# KiCad board vault35-katana plate.kicad_pcb
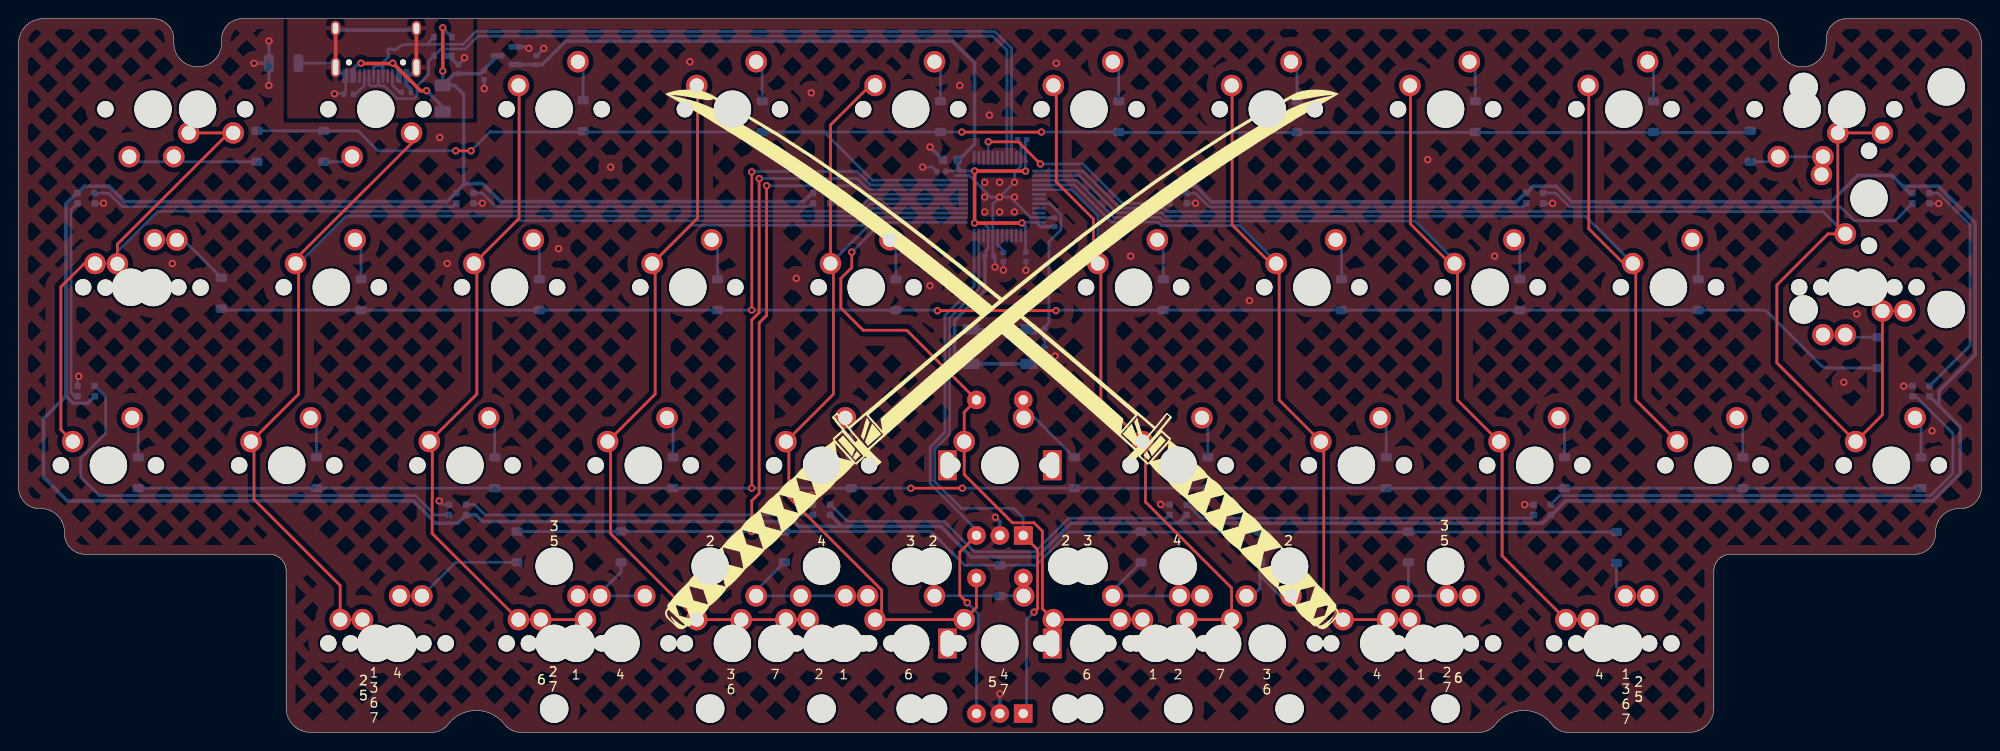
[diagram p0: board, top side]
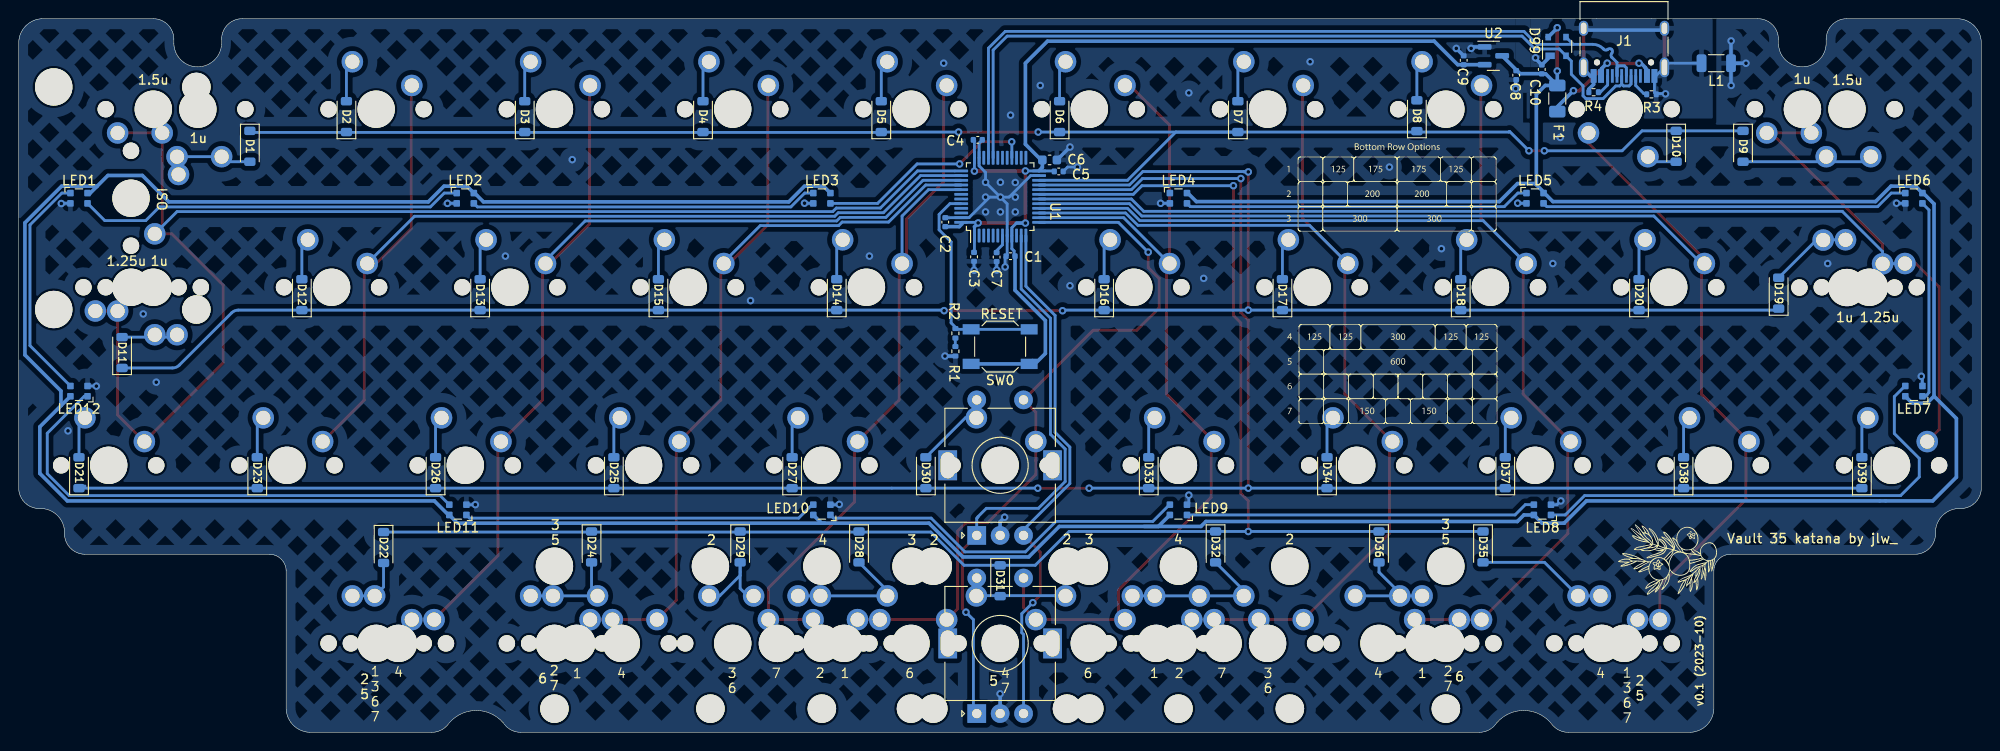
[diagram p1: board, bottom side, seen from below]

Outline 209.7 x 76.35 mm; copper layers: Top, Bottom. Coordinates in mm from the lower left corner of the outline.
Outline path: 0,73.75 0,26.14 0,26.03 0.01,25.92 0.03,25.81 0.04,25.7 0.07,25.59 0.1,25.49 0.13,25.38 0.17,25.28 0.22,25.19 0.27,25.09 0.32,25 0.38,24.91 0.44,24.82 0.5,24.74 0.57,24.66 0.64,24.59 0.72,24.51 0.8,24.44 0.88,24.38 0.97,24.32 1.06,24.26 1.15,24.21 1.25,24.16 1.34,24.11 1.44,24.07 1.55,24.04 1.65,24.01 1.76,23.99 1.86,23.97 1.98,23.95 2.09,23.94 2.2,23.94 2.34,23.94 2.47,23.94 2.59,23.93 2.72,23.91 2.84,23.89 2.96,23.86 3.08,23.83 3.2,23.79 3.32,23.75 3.43,23.7 3.54,23.64 3.65,23.58 3.76,23.51 3.86,23.44 3.96,23.36 4.05,23.28 4.14,23.19 4.23,23.1 4.31,23.01 4.39,22.91 4.46,22.81 4.53,22.7 4.59,22.59 4.65,22.48 4.7,22.37 4.74,22.25 4.78,22.13 4.81,22.01 4.84,21.89 4.86,21.77 4.88,21.64 4.89,21.52 4.89,21.39 4.89,21.25 4.89,21.14 4.9,21.03 4.92,20.91 4.94,20.81 4.96,20.7 4.99,20.6 5.02,20.49 5.06,20.39 5.11,20.3 5.16,20.2 5.21,20.11 5.27,20.02 5.33,19.93 5.39,19.85 5.46,19.77 5.54,19.69 5.61,19.62 5.69,19.55 5.77,19.49 5.86,19.43 5.95,19.37 6.04,19.32 6.14,19.27 6.23,19.22 6.33,19.18 6.44,19.15 6.54,19.12 6.65,19.09 6.76,19.08 6.87,19.06 6.98,19.05 7.09,19.05 26.77,19.05 26.86,19.05 26.95,19.04 27.04,19.03 27.13,19.02 27.21,19 27.3,18.97 27.38,18.94 27.46,18.91 27.54,18.88 27.62,18.84 27.7,18.79 27.77,18.75 27.85,18.7 27.92,18.64 27.98,18.58 28.05,18.52 28.11,18.46 28.17,18.39 28.22,18.32 28.27,18.25 28.32,18.17 28.36,18.1 28.4,18.02 28.44,17.94 28.47,17.86 28.5,17.77 28.52,17.69 28.54,17.6 28.56,17.52 28.57,17.43 28.57,17.34 28.58,17.25 28.58,2.6 28.58,2.47 28.59,2.34 28.6,2.22 28.63,2.09 28.65,1.97 28.69,1.84 28.73,1.72 28.77,1.61 28.82,1.49 28.88,1.38 28.94,1.27 29.01,1.16 29.09,1.05 29.16,0.95 29.25,0.85 29.34,0.76 29.43,0.67 29.53,0.59 29.63,0.51 29.73,0.44 29.84,0.37 29.95,0.31 30.06,0.25 30.18,0.2 30.3,0.15 30.42,0.11 30.54,0.08 30.67,0.05 30.79,0.03 30.92,0.01 31.05,0 31.18,0 44.14,0 44.27,0 44.39,0.01 44.52,0.03 44.64,0.06 44.76,0.09 44.88,0.13 45,0.17 45.11,0.23 45.22,0.28 45.33,0.35 45.43,0.42 45.53,0.49 45.63,0.58 45.72,0.66 45.8,0.76 46.02,1.03 46.17,1.19 46.33,1.34 46.49,1.48 46.66,1.61 46.84,1.73 47.02,1.84 47.21,1.94 47.41,2.03 47.61,2.11 47.82,2.18 48.02,2.23 48.24,2.28 48.45,2.31 48.67,2.33 48.89,2.33 49.11,2.33 49.33,2.31 49.54,2.28 49.76,2.23 49.97,2.18 50.17,2.11 50.37,2.03 50.57,1.94 50.76,1.84 50.94,1.73 51.12,1.61 51.29,1.48 51.46,1.34 51.61,1.19 51.76,1.03 51.98,0.76 52.07,0.66 52.16,0.58 52.25,0.49 52.35,0.42 52.45,0.35 52.56,0.28 52.67,0.23 52.78,0.17 52.9,0.13 53.02,0.09 53.14,0.06 53.26,0.03 53.39,0.01 53.51,0 53.64,0 156.06,0 156.19,0 156.31,0.01 156.44,0.03 156.56,0.06 156.68,0.09 156.8,0.13 156.92,0.17 157.03,0.23 157.14,0.28 157.25,0.35 157.35,0.42 157.45,0.49 157.54,0.58 157.63,0.66 157.72,0.76 157.94,1.03 158.09,1.19 158.24,1.34 158.41,1.48 158.58,1.61 158.76,1.73 158.94,1.84 159.13,1.94 159.33,2.03 159.53,2.11 159.73,2.18 159.94,2.23 160.16,2.28 160.37,2.31 160.59,2.33 160.81,2.33 161.03,2.33 161.25,2.31 161.46,2.28 161.68,2.23 161.88,2.18 162.09,2.11 162.29,2.03 162.49,1.94 162.68,1.84 162.86,1.73 163.04,1.61 163.21,1.48 163.37,1.34 163.53,1.19 163.68,1.03 163.9,0.76 163.98,0.66 164.07,0.58 164.17,0.49 164.27,0.42 164.37,0.35 164.48,0.28 164.59,0.23 164.7,0.17 164.82,0.13 164.94,0.09 165.06,0.06 165.18,0.03 165.31,0.01 165.43,0 165.56,0 178.52,0 178.65,0 178.78,0.01 178.91,0.03 179.03,0.05 179.16,0.08 179.28,0.11 179.4,0.15 179.52,0.2 179.64,0.25 179.75,0.31 179.86,0.37 179.97,0.44 180.07,0.51 180.17,0.59 180.27,0.67 180.36,0.76 180.45,0.85 180.54,0.95 180.61,1.05 180.69,1.16 180.76,1.27 180.82,1.38 180.88,1.49 180.93,1.61 180.97,1.72 181.01,1.84 181.05,1.97 181.07,2.09 181.1,2.22 181.11,2.34 181.12,2.47 181.12,2.6 181.12,17.25 181.13,17.34 181.13,17.43 181.15,17.52 181.16,17.61 181.18,17.7 181.21,17.79 181.23,17.87 181.27,17.95 181.3,18.03 181.34,18.11 181.39,18.18 181.43,18.26 181.48,18.33 181.54,18.39 181.59,18.46 181.65,18.52 181.71,18.58 181.78,18.64 181.85,18.69 181.92,18.74 181.99,18.79 182.07,18.83 182.14,18.87 182.22,18.91 182.31,18.94 182.39,18.97 182.48,18.99 182.56,19.01 182.65,19.03 182.74,19.04 182.83,19.05 182.92,19.05 202.61,19.05 202.72,19.05 202.83,19.06 202.93,19.07 203.04,19.09 203.15,19.12 203.25,19.15 203.35,19.18 203.45,19.22 203.55,19.26 203.65,19.31 203.74,19.36 203.83,19.42 203.92,19.48 204,19.55 204.09,19.62 204.16,19.69 204.24,19.77 204.31,19.86 204.38,19.94 204.44,20.03 204.5,20.12 204.55,20.21 204.6,20.31 204.64,20.41 204.68,20.51 204.71,20.61 204.74,20.71 204.77,20.82 204.79,20.93 204.8,21.03 204.81,21.14 204.81,21.25 204.81,21.39 204.81,21.52 204.82,21.65 204.84,21.78 204.86,21.9 204.89,22.03 204.92,22.15 204.96,22.27 205.01,22.38 205.06,22.5 205.12,22.61 205.18,22.71 205.24,22.82 205.32,22.92 205.39,23.01 205.47,23.11 205.56,23.19 205.64,23.28 205.74,23.36 205.83,23.43 205.93,23.51 206.04,23.57 206.14,23.63 206.25,23.69 206.37,23.74 206.48,23.79 206.6,23.83 206.72,23.86 206.85,23.89 206.97,23.91 207.1,23.93 207.23,23.94 207.36,23.94 207.5,23.94 207.61,23.94 207.72,23.95 207.84,23.97 207.94,23.99 208.05,24.01 208.15,24.04 208.26,24.07 208.36,24.11 208.45,24.16 208.55,24.21 208.64,24.26 208.73,24.32 208.82,24.38 208.9,24.44 208.98,24.51 209.06,24.59 209.13,24.66 209.2,24.74 209.26,24.82 209.32,24.91 209.38,25 209.43,25.09 209.48,25.19 209.53,25.28 209.57,25.38 209.6,25.49 209.63,25.59 209.66,25.7 209.67,25.81 209.69,25.92 209.7,26.03 209.7,26.14 209.7,73.75 209.7,73.88 209.69,74.02 209.67,74.15 209.65,74.27 209.62,74.4 209.58,74.52 209.54,74.64 209.5,74.76 209.44,74.88 209.39,74.99 209.32,75.1 209.26,75.2 209.18,75.31 209.11,75.4 209.02,75.5 208.94,75.59 208.85,75.67 208.75,75.76 208.66,75.83 208.55,75.91 208.45,75.97 208.34,76.04 208.23,76.09 208.11,76.15 207.99,76.19 207.87,76.23 207.75,76.27 207.62,76.3 207.5,76.32 207.37,76.34 207.23,76.35 207.1,76.35 195.32,76.35 195.21,76.35 195.1,76.34 194.99,76.32 194.88,76.31 194.78,76.28 194.67,76.25 194.57,76.22 194.47,76.18 194.37,76.13 194.28,76.08 194.18,76.03 194.09,75.97 194.01,75.91 193.93,75.85 193.85,75.78 193.77,75.71 193.7,75.63 193.63,75.55 193.56,75.47 193.5,75.38 193.44,75.29 193.39,75.2 193.34,75.1 193.3,75.01 193.26,74.91 193.22,74.8 193.19,74.7 193.17,74.59 193.15,74.49 193.14,74.37 193.13,74.26 193.13,74.15 193.12,73.75 193.12,73.66 193.12,73.58 193.11,73.5 193.1,73.41 193.09,73.33 193.07,73.25 193.06,73.17 193.04,73.08 193.01,73 192.99,72.93 192.96,72.85 192.93,72.77 192.9,72.7 192.86,72.62 192.82,72.55 192.78,72.47 192.74,72.4 192.7,72.33 192.65,72.27 192.6,72.2 192.55,72.14 192.5,72.07 192.44,72.01 192.38,71.95 192.32,71.89 192.26,71.84 192.2,71.78 192.13,71.73 192.06,71.68 191.99,71.63 191.92,71.59 191.85,71.54 191.7,71.46 191.55,71.39 191.39,71.33 191.23,71.29 191.07,71.25 190.9,71.22 190.74,71.21 190.57,71.2 190.41,71.21 190.25,71.22 190.08,71.25 189.92,71.29 189.76,71.33 189.6,71.39 189.45,71.46 189.3,71.54 189.16,71.63 189.02,71.73 188.89,71.84 188.77,71.95 188.65,72.07 188.55,72.2 188.45,72.33 188.37,72.47 188.29,72.62 188.22,72.77 188.16,72.93 188.11,73.08 188.08,73.25 188.05,73.41 188.03,73.58 188.02,73.75 188.02,74.15 188.02,74.26 188.01,74.37 188,74.49 187.98,74.59 187.96,74.7 187.93,74.8 187.89,74.91 187.85,75.01 187.81,75.1 187.76,75.2 187.71,75.29 187.65,75.38 187.59,75.47 187.52,75.55 187.45,75.63 187.38,75.71 187.3,75.78 187.22,75.85 187.14,75.91 187.06,75.97 186.97,76.03 186.87,76.08 186.78,76.13 186.68,76.18 186.58,76.22 186.48,76.25 186.37,76.28 186.27,76.31 186.16,76.32 186.05,76.34 185.94,76.35 185.82,76.35 23.87,76.35 23.76,76.35 23.65,76.34 23.54,76.32 23.43,76.31 23.33,76.28 23.22,76.25 23.12,76.22 23.02,76.18 22.92,76.13 22.83,76.08 22.73,76.03 22.64,75.97 22.56,75.91 22.48,75.85 22.4,75.78 22.32,75.71 22.25,75.63 22.18,75.55 22.11,75.47 22.05,75.38 21.99,75.29 21.94,75.2 21.89,75.1 21.85,75.01 21.81,74.91 21.77,74.8 21.74,74.7 21.72,74.59 21.7,74.49 21.69,74.37 21.68,74.26 21.67,74.15 21.67,73.75 21.67,73.62 21.66,73.49 21.65,73.36 21.62,73.24 21.59,73.11 21.56,72.99 21.52,72.87 21.47,72.76 21.42,72.65 21.37,72.54 21.31,72.43 21.24,72.33 21.17,72.23 21.09,72.13 21.01,72.04 20.93,71.95 20.84,71.86 20.75,71.78 20.65,71.71 20.55,71.64 20.45,71.57 20.34,71.51 20.23,71.45 20.12,71.4 20,71.36 19.88,71.32 19.76,71.28 19.64,71.25 19.51,71.23 19.39,71.22 19.26,71.21 19.12,71.2 18.99,71.21 18.86,71.22 18.74,71.23 18.61,71.25 18.49,71.28 18.37,71.32 18.25,71.36 18.13,71.4 18.02,71.45 17.91,71.51 17.8,71.57 17.7,71.64 17.6,71.71 17.5,71.78 17.41,71.86 17.32,71.95 17.24,72.04 17.16,72.13 17.08,72.23 17.01,72.33 16.94,72.43 16.88,72.54 16.83,72.65 16.78,72.76 16.73,72.87 16.69,72.99 16.66,73.11 16.63,73.24 16.6,73.36 16.59,73.49 16.58,73.62 16.58,73.75 16.58,74.15 16.57,74.26 16.56,74.37 16.55,74.47 16.53,74.58 16.51,74.69 16.48,74.79 16.45,74.89 16.41,74.99 16.36,75.09 16.32,75.19 16.26,75.28 16.21,75.37 16.14,75.46 16.08,75.54 16.01,75.63 15.93,75.71 15.85,75.78 15.77,75.85 15.68,75.92 15.6,75.98 15.5,76.04 15.41,76.09 15.32,76.14 15.22,76.18 15.12,76.22 15.01,76.25 14.91,76.28 14.81,76.31 14.7,76.33 14.59,76.34 14.48,76.35 14.37,76.35 2.6,76.35 2.47,76.35 2.34,76.34 2.22,76.32 2.09,76.3 1.97,76.27 1.84,76.24 1.72,76.2 1.61,76.15 1.49,76.1 1.38,76.04 1.27,75.98 1.16,75.91 1.05,75.84 0.95,75.76 0.85,75.68 0.76,75.59 0.67,75.5 0.59,75.4 0.51,75.3 0.44,75.19 0.37,75.08 0.31,74.97 0.25,74.86 0.2,74.74 0.15,74.63 0.11,74.51 0.08,74.38 0.05,74.26 0.03,74.13 0.01,74.01 0,73.88 0,73.75

## Placement (name value [footprint] x y rotation side)
C1  100nF  [C_0402_1005Metric]  103.72 50.94 0 bottom
C2  100nF  [C_0402_1005Metric]  110.7 54.58 90 bottom
C3  100nF  [C_0402_1005Metric]  107.62 50.87 270 bottom
C4  100nF  [C_0402_1005Metric]  107.22 63.39 180 bottom
C5  100nF  [C_0402_1005Metric]  98.57 60.01 180 bottom
C6  10uF  [C_0603_1608Metric]  99.55 61.24 180 bottom
C7  100nF  [C_0402_1005Metric]  105.21 50.85 270 bottom
C8  1uF  [C_0402_1005Metric]  49.69 70.31 90 bottom
C9  1uF  [C_0402_1005Metric]  55.31 71.9 270 bottom
C10  100nF  [C_0402_1005Metric]  46.96 70.93 90 bottom
D1  D_Small  [D_SOD-123-hidden-ref]  185 62.7 270 bottom
D2  D_Small  [D_SOD-123-hidden-ref]  174.68 65.87 90 bottom
D3  D_Small  [D_SOD-123-hidden-ref]  155.63 65.87 90 bottom
D4  D_Small  [D_SOD-123-hidden-ref]  136.58 65.87 90 bottom
D5  D_Small  [D_SOD-123-hidden-ref]  117.53 65.87 90 bottom
D6  D_Small  [D_SOD-123-hidden-ref]  98.48 65.87 90 bottom
D7  D_Small  [D_SOD-123-hidden-ref]  79.43 65.87 90 bottom
D8  D_Small  [D_SOD-123-hidden-ref]  60.31 65.97 90 bottom
D9  D_Small  [D_SOD-123-hidden-ref]  25.46 62.7 270 bottom
D10  D_Small  [D_SOD-123-hidden-ref]  32.6 62.7 270 bottom
D11  D_Small  [D_SOD-123-hidden-ref]  198.66 40.63 90 bottom
D12  D_Small  [D_SOD-123-hidden-ref]  179.45 46.82 90 bottom
D13  D_Small  [D_SOD-123-hidden-ref]  160.4 46.82 90 bottom
D14  D_Small  [D_SOD-123-hidden-ref]  122.3 46.82 90 bottom
D15  D_Small  [D_SOD-123-hidden-ref]  141.35 46.82 90 bottom
D16  D_Small  [D_SOD-123-hidden-ref]  93.72 46.82 90 bottom
D17  D_Small  [D_SOD-123-hidden-ref]  74.67 46.82 90 bottom
D18  D_Small  [D_SOD-123-hidden-ref]  55.62 46.82 90 bottom
D19  D_Small  [D_SOD-123-hidden-ref]  21.65 46.98 90 bottom
D20  D_Small  [D_SOD-123-hidden-ref]  36.57 46.82 90 bottom
D21  D_Small  [D_SOD-123-hidden-ref]  203.26 27.77 90 bottom
D22  D_Small  [D_SOD-123-hidden-ref]  170.72 19.77 270 bottom
D23  D_Small  [D_SOD-123-hidden-ref]  184.21 27.77 90 bottom
D24  D_Small  [D_SOD-123-hidden-ref]  148.49 19.83 270 bottom
D25  D_Small  [D_SOD-123-hidden-ref]  146.11 27.77 90 bottom
D26  D_Small  [D_SOD-123-hidden-ref]  165.16 27.77 90 bottom
D27  D_Small  [D_SOD-123-hidden-ref]  127.06 27.77 90 bottom
D28  D_Small  [D_SOD-123-hidden-ref]  119.92 19.83 270 bottom
D29  D_Small  [D_SOD-123-hidden-ref]  132.62 19.83 270 bottom
D30  D_Small  [D_SOD-123-hidden-ref]  112.77 27.77 90 bottom
D31  D_Small  [D_SOD-123-hidden-ref]  104.83 16.22 270 bottom
D32  D_Small  [D_SOD-123-hidden-ref]  81.82 19.83 270 bottom
D33  D_Small  [D_SOD-123-hidden-ref]  88.96 27.77 90 bottom
D34  D_Small  [D_SOD-123-hidden-ref]  69.91 27.77 90 bottom
D35  D_Small  [D_SOD-123-hidden-ref]  53.24 19.83 270 bottom
D36  D_Small  [D_SOD-123-hidden-ref]  64.35 19.83 270 bottom
D37  D_Small  [D_SOD-123-hidden-ref]  50.86 27.77 90 bottom
D38  D_Small  [D_SOD-123-hidden-ref]  31.81 27.77 90 bottom
D39  D_Small  [D_SOD-123-hidden-ref]  12.76 27.77 90 bottom
D99  PRTR5V0U2X  [SOT-143]  45.32 73.38 90 bottom
F1  ASMD1206-150  [Fuse_1206_3216Metric]  45.3 67.81 90 bottom
J1  USB_C_Receptacle_USB2.0  [USB_C_Receptacle_HRO_TYPE-C-31-M-12]  38.17 74.27 0 bottom
L1  60R@100MHz  [L_1206_3216Metric]  28.32 71.59 0 bottom
LED1  WS2812-2020  [LED_WS2812_2020]  203.26 57.14 180 bottom
LED2  WS2812-2020  [LED_WS2812_2020]  161.99 57.14 180 bottom
LED3  WS2812-2020  [LED_WS2812_2020]  123.89 57.14 180 bottom
LED4  WS2812-2020  [LED_WS2812_2020]  85.79 57.14 180 bottom
LED5  WS2812-2020  [LED_WS2812_2020]  47.69 57.14 180 bottom
LED6  WS2812-2020  [LED_WS2812_2020]  7.2 57.14 180 bottom
LED7  WS2812-2020  [LED_WS2812_2020]  7.2 36.5 0 bottom
LED8  WS2812-2020  [LED_WS2812_2020]  46.89 23.8 0 bottom
LED9  WS2812-2020  [LED_WS2812_2020]  85.79 23.8 0 bottom
LED10  WS2812-2020  [LED_WS2812_2020]  123.89 23.8 0 bottom
LED11  WS2812-2020  [LED_WS2812_2020]  162.78 23.8 0 bottom
LED12  WS2812-2020  [LED_WS2812_2020]  203.26 36.5 0 bottom
MX1  MX_SW_solder  [SW_MX_1u]  19.11 66.67 180 top
MX2  MX_SW_solder  [SW_MX_1.5u]  14.35 66.67 180 top
MX3  MX_SW_solder  [SW_MX_1u]  38.16 66.67 180 top
MX4  MX_SW_solder  [SW_MX_1u]  57.21 66.67 0 top
MX5  MX_SW_solder  [SW_MX_1u]  76.26 66.67 0 top
MX6  MX_SW_solder  [SW_MX_1u]  95.31 66.67 0 top
MX7  MX_SW_solder  [SW_MX_1u]  114.36 66.67 0 top
MX8  MX_SW_solder  [SW_MX_1u]  133.41 66.67 0 top
MX9  MX_SW_solder  [SW_MX_1u]  152.46 66.67 0 top
MX10  MX_SW_solder  [SW_MX_1u]  171.51 66.67 0 top
MX11  MX_SW_solder  [SW_MX_1.5u]  195.32 66.67 180 top
MX12  MX_SW_solder  [SW_MX_1u]  190.56 66.67 180 top
MX13  MX_SW_solder  [SW_MX_1u]  14.35 47.59 0 top
MX14  MX_SW_solder  [SW_MX_1.25u]  11.97 47.62 0 top
MX15  MX_SW_solder  [SW_MX_1u]  33.4 47.62 0 top
MX16  MX_SW_solder  [SW_MX_1u]  52.45 47.62 0 top
MX17  MX_SW_solder  [SW_MX_1u]  71.5 47.62 0 top
MX18  MX_SW_solder  [SW_MX_1u]  90.55 47.62 0 top
MX19  MX_SW_solder  [SW_MX_1u]  119.12 47.62 0 top
MX20  MX_SW_solder  [SW_MX_1u]  138.17 47.62 0 top
MX21  MX_SW_solder  [SW_MX_1u]  157.22 47.62 0 top
MX22  MX_SW_solder  [SW_MX_1u]  176.27 47.62 0 top
MX23  MX_SW_solder  [SW_MX_1.25u]  197.7 47.62 180 top
MX24  MX_SW_solder  [SW_MX_1u]  195.32 47.62 180 top
MX25  MX_SW_solder  [SW_MX_1u]  9.59 28.57 0 top
MX26  MX_SW_solder  [SW_MX_1u]  28.64 28.57 0 top
MX27  MX_SW_solder  [SW_MX_1u]  47.69 28.57 0 top
MX28  MX_SW_solder  [SW_MX_1u]  66.74 28.57 0 top
MX29  MX_SW_solder  [SW_MX_1u]  85.79 28.57 0 top
MX30  MX_SW_solder  [SW_MX_1u]  104.84 28.57 0 top
MX31  MX_SW_solder  [SW_MX_1u]  123.89 28.57 0 top
MX32  MX_SW_solder  [SW_MX_1u]  142.94 28.57 0 top
MX33  MX_SW_solder  [SW_MX_1u]  161.99 28.57 0 top
MX34  MX_SW_solder  [SW_MX_1u]  181.04 28.57 0 top
MX35  MX_SW_solder  [SW_MX_1u]  200.09 28.57 0 top
MX36  MX_SW_solder  [SW_MX_1u]  197.7 57.14 90 top
MX37  MX_SW_solder  [SW_MX_1.25u]  40.54 9.52 0 top
MX38  MX_SW_solder  [SW_MX_1.25u]  64.35 9.52 0 top
MX39  MX_SW_solder  [SW_MX_1u]  104.84 9.52 0 top
MX40  MX_SW_solder  [SW_MX_1.25u]  145.32 9.52 0 top
MX41  MX_SW_solder  [SW_MX_1.25u]  169.13 9.52 0 top
MX42  MX_SW_solder  [SW_MX_1.5u]  81.01 9.51 0 top
MX43  MX_SW_solder  [SW_MX_1.25u]  59.59 9.52 0 top
MX44  MX_SW_solder  [SW_MX_1.75u]  88.17 9.52 0 top
MX45  MX_SW_solder  [SW_MX_1.75u]  121.5 9.52 0 top
MX46  MX_SW_solder  [SW_MX_1.25u]  150.08 9.52 0 top
MX47  MX_SW_solder  [SW_MX_1.5u]  128.63 9.51 0 top
MX50  MX_SW_solder  [SW_MX_1u]  85.79 9.52 0 top
MX51  MX_SW_solder  [SW_MX_1u]  123.89 9.52 0 top
MX61  MX_SW_solder  [SW_MX_1u]  38.16 9.52 0 top
MX62  MX_SW_solder  [SW_MX_1u]  57.21 9.52 0 top
MX63  MX_SW_solder  [SW_MX_1u]  76.26 9.52 0 top
MX64  MX_SW_solder  [SW_MX_1u]  95.31 9.52 0 top
MX65  MX_SW_solder  [SW_MX_1u]  114.36 9.52 0 top
MX66  MX_SW_solder  [SW_MX_1u]  133.41 9.52 0 top
MX67  MX_SW_solder  [SW_MX_1u]  152.46 9.52 0 top
MX68  MX_SW_solder  [SW_MX_1u]  171.51 9.52 0 top
R1  5.1k  [R_0402_1005Metric]  109.62 40.76 270 bottom
R2  5.1k  [R_0402_1005Metric]  109.62 42.69 270 bottom
R3  5.1k  [R_0402_1005Metric]  35.24 68.26 0 bottom
R4  5.1k  [R_0402_1005Metric]  41.42 68.48 180 bottom
S1  MX_stab  [STAB_MX_ISO]  197.7 57.14 0 top
S2  MX_stab  [STAB_MX_3u]  104.84 9.52 180 top
S3  MX_stab  [STAB_MX_2u]  123.89 9.52 180 top
S4  MX_stab  [STAB_MX_2u]  85.79 9.52 180 top
S5  MX_stab  [STAB_MX_3u]  133.41 9.52 180 top
S6  MX_stab  [STAB_MX_3u]  76.26 9.52 180 top
SW0  SKQGABE010  [SW_SPST_SKQG_WithoutStem]  104.84 41.27 0 bottom
SW1  Rotary_Encoder_Switch  [RotaryEncoder_Alps_EC11E-Switch_Vertical_H20mm]  107.34 2.01 90 bottom
SW52  Rotary_Encoder_Switch  [RotaryEncoder_Alps_EC11E-Switch_Vertical_H20mm]  107.34 21.07 90 bottom
U1  STM32F072CBT6  [LQFP-48_7x7mm_P0.5mm]  104.83 57.31 90 bottom
U2  XC6206P332MR-Regulator_Linear  [SOT-23]  52.13 72.38 180 bottom

## Library data of the parts
C1-C5 C10 = -: Description: Unpolarized capacitor; LCSC: C307331
C6 = -: Description: Unpolarized capacitor; LCSC: C96446
C7 = -: Description: Unpolarized capacitor, small symbol; LCSC: C307331
C8 C9 = -: Description: Unpolarized capacitor, small symbol; LCSC: C52923
D1-D39 = -: Description: Diode, small symbol; LCSC: C81598; Sim.Device: D; Sim.Pins: 1=K 2=A
D99 = -: Description: Ultra low capacitance double rail-to-rail ESD protection diode, SOT-143; JlcRotOffset: 90; LCSC: C2827688
F1 = -: Description: Resettable fuse, polymeric positive temperature coefficient; LCSC: C135341
J1 = -: Description: USB 2.0-only Type-C Receptacle connector; JlcPosOffset: 0,1.5; JlcRotOffset: 180; LCSC: C165948
L1 = -: LCSC: C33600; Manufacturer: MELED Industrial; Manufacturer Part No: MLB3216-600P4A(f); Package: L1206
LED1 LED3 LED7 LED9 = -: Description: RGB LED with integrated controller; JlcRotOffset: 194; LCSC: C965555
LED2 LED4 LED5 LED8 LED10 LED11 = -: Description: RGB LED with integrated controller; JlcRotOffset: 14; LCSC: C965555
LED6 LED12 = -: Description: RGB LED with integrated controller; JlcRotOffset: 180; LCSC: C965555
MX1-MX47 MX50 MX51 MX61-MX68 = -: Description: Push button switch, normally open, two pins, 45° tilted; exclude_pcba: true
R1 R2 = -: Description: Resistor, small symbol; LCSC: C25905
R3 R4 = -: Description: Resistor; LCSC: C25905
S1-S6 = -: Description: Cherry MX-style stabilizer; exclude_pcba: true
SW0 = -: Description: Push button switch, generic, two pins; LCSC: C318884
SW1 SW52 = -: exclude_pcba: true
U1 = -: Description: STMicroelectronics Arm Cortex-M0 MCU, 128KB flash, 16KB RAM, 48 MHz, 2.0-3.6V, 37 GPIO, LQFP48; JlcRotOffset: 90; LCSC: C81720
U2 = -: Description: SMD LDO regulator family; LCSC: C5446

## Footprints (pads in the part's own frame, mm; a bottom-side part is the same pattern mirrored in y, then rotated)
C_0402_1005Metric
  rrect 0.56x0.62 smd: 1(-0.48,0) 2(0.48,0)
C_0603_1608Metric
  rrect 0.9x0.95 smd: 1(-0.775,0) 2(0.775,0)
D_SOD-123-hidden-ref
  rrect 0.9x1.2 smd: 1(-1.65,0) 2(1.65,0)
Fuse_1206_3216Metric
  rrect 1.25x1.75 smd: 1(-1.4,0) 2(1.4,0)
L_1206_3216Metric
  rrect 1.05x1.9 smd: 1(-1.575,0) 2(1.575,0)
LED_WS2812_2020
  rrect 0.7x0.7 smd: 1(-0.915,0.55) 2(-0.915,-0.55) 3(0.915,-0.55) 4(0.915,0.55)
LQFP-48_7x7mm_P0.5mm
  rrect 1.475x0.3 smd: 1(-4.162,2.75) 2(-4.162,2.25) 3(-4.162,1.75) 4(-4.162,1.25) 5(-4.162,0.75) 6(-4.162,0.25) 7(-4.162,-0.25) 8(-4.162,-0.75) 9(-4.162,-1.25) 10(-4.162,-1.75) 11(-4.162,-2.25) 12(-4.162,-2.75) 25(4.162,-2.75) 26(4.162,-2.25) 27(4.162,-1.75) 28(4.162,-1.25) 29(4.162,-0.75) 30(4.162,-0.25) 31(4.162,0.25) 32(4.162,0.75) 33(4.162,1.25) 34(4.162,1.75) 35(4.162,2.25) 36(4.162,2.75)
  rrect 0.3x1.475 smd: 13(-2.75,-4.162) 14(-2.25,-4.162) 15(-1.75,-4.162) 16(-1.25,-4.162) 17(-0.75,-4.162) 18(-0.25,-4.162) 19(0.25,-4.162) 20(0.75,-4.162) 21(1.25,-4.162) 22(1.75,-4.162) 23(2.25,-4.162) 24(2.75,-4.162) 37(2.75,4.162) 38(2.25,4.162) 39(1.75,4.162) 40(1.25,4.162) 41(0.75,4.162) 42(0.25,4.162) 43(-0.25,4.162) 44(-0.75,4.162) 45(-1.25,4.162) 46(-1.75,4.162) 47(-2.25,4.162) 48(-2.75,4.162)
R_0402_1005Metric
  rrect 0.54x0.64 smd: 1(-0.51,0) 2(0.51,0)
RotaryEncoder_Alps_EC11E-Switch_Vertical_H20mm
  rect 2x2 hole 1: A(0,0)
  round 2 hole 1: B(0,-5) C(0,-2.5) S1(14.5,-5) S2(14.5,0)
  rect 3.2x2 hole 2.8x1.5: MP(7.5,-8.1) MP(7.5,3.1)
SOT-23
  rrect 1.475x0.6 smd: 1(-0.938,0.95) 2(-0.938,-0.95) 3(0.938,0)
SOT-143
  rect 0.7x1 smd: 1(-1,0.75)
  rect 0.7x0.6 smd: 2(-1,-0.95) 3(1,-0.95) 4(1,0.95)
STAB_MX_2u
  round 3.048 hole 3.048 unplated: (-11.906,6.985) (11.906,6.985)
  round 3.988 hole 3.988 unplated: (-11.906,-8.255) (11.906,-8.255)
STAB_MX_3u
  round 3.048 hole 3.048 unplated: (-19.05,6.985) (19.05,6.985)
  round 3.988 hole 3.988 unplated: (-19.05,-8.255) (19.05,-8.255)
STAB_MX_ISO
  round 3.048 hole 3.048 unplated: (-6.985,11.906) (-6.985,-11.906)
  round 3.988 hole 3.988 unplated: (8.255,11.906) (8.255,-11.906)
SW_MX_1.5u
  round 1.75 hole 1.75 unplated: (-5.08,0) (5.08,0)
  round 3.988 hole 3.988 unplated: (0,0)
  round 2.3 hole 1.524: 1(-3.81,2.54) 2(2.54,5.08)
SW_MX_1.25u
  round 1.75 hole 1.75 unplated: (-5.08,0) (5.08,0)
  round 3.988 hole 3.988 unplated: (0,0)
  round 2.3 hole 1.524: 1(-3.81,2.54) 2(2.54,5.08)
SW_MX_1.75u
  round 1.75 hole 1.75 unplated: (-5.08,0) (5.08,0)
  round 3.988 hole 3.988 unplated: (0,0)
  round 2.3 hole 1.524: 1(-3.81,2.54) 2(2.54,5.08)
SW_MX_1u
  round 1.75 hole 1.75 unplated: (-5.08,0) (5.08,0)
  round 3.988 hole 3.988 unplated: (0,0)
  round 2.3 hole 1.524: 1(-3.81,2.54) 2(2.54,5.08)
SW_SPST_SKQG_WithoutStem
  rect 1.8x1.1 smd: 1(-3.1,1.85) 1(3.1,1.85) 2(-3.1,-1.85) 2(3.1,-1.85)
USB_C_Receptacle_HRO_TYPE-C-31-M-12
  round 0.65 hole 0.65 unplated: (-2.89,2.6) (2.89,2.6)
  rect 0.6x1.45 smd: A1(-3.25,4.045) A4(-2.45,4.045) A9(2.45,4.045) A12(3.25,4.045) B1(3.25,4.045) B4(2.45,4.045) B9(-2.45,4.045) B12(-3.25,4.045)
  rect 0.3x1.45 smd: A5(-1.25,4.045) A6(-0.25,4.045) A7(0.25,4.045) A8(1.25,4.045) B5(1.75,4.045) B6(0.75,4.045) B7(-0.75,4.045) B8(-1.75,4.045)
  oval 1x1.6 hole 0.6x1.2: S1(-4.32,-1.05) S1(4.32,-1.05)
  oval 1x2.1 hole 0.6x1.7: S1(-4.32,3.13) S1(4.32,3.13)

## Nets
+3V3: C1.1 C2.1 C3.1 C4.1 C5.1 C6.1 C9.2 SW0.1 U1.1 U1.9 U1.24 U1.36 U1.48 U2.2
+5V: C8.2 C10.1 D99.4 F1.2 LED1.4 LED2.4 LED3.4 LED4.4 LED5.4 LED6.4 LED7.4 LED8.4 LED9.4 LED10.4 LED11.4 LED12.4 U2.3
GND: C1.2 C2.2 C3.2 C4.2 C5.2 C6.2 C7.2 C8.1 C9.1 C10.2 J1.A1 J1.A12 J1.B1 J1.B12 J1.S1 L1.1 L1.2 LED1.2 LED2.2 LED3.2 LED4.2 LED5.2 LED6.2 LED7.2 LED8.2 LED9.2 LED10.2 LED11.2 LED12.2 R1.2 R3.1 R4.1 SW1.C SW52.C U1.8 U1.23 U1.35 U1.47 U2.1
GNDPWR: D99.1
VBUS: F1.1 J1.A4 J1.A9 J1.B4 J1.B9
BOOT0: R2.1 SW0.2 U1.44
col0: MX1.1 MX2.1 MX13.1 MX14.1 MX25.1 U1.18
col1: MX3.1 MX15.1 MX26.1 MX37.1 MX61.1 U1.17
col2: MX4.1 MX16.1 MX27.1 MX38.1 MX43.1 MX62.1 U1.16
col3: MX5.1 MX17.1 MX28.1 MX42.1 MX44.1 MX50.1 MX63.1 U1.15
col4: MX6.1 MX18.1 MX29.1 MX39.1 MX64.1 SW1.S1 U1.14
col5: MX30.1 MX45.1 MX51.1 MX65.1 SW52.S1 U1.13
col6: MX7.1 MX19.1 MX31.1 MX47.1 MX66.1 U1.41
col7: MX8.1 MX20.1 MX32.1 MX40.1 MX46.1 MX67.1 U1.40
col8: MX9.1 MX21.1 MX33.1 MX41.1 MX68.1 U1.39
col9: MX10.1 MX22.1 MX34.1 U1.38
col10: MX11.1 MX12.1 MX23.1 MX24.1 MX35.1 MX36.1 U1.37
D_N: D99.2 J1.A7 J1.B7 U1.32
D_P: D99.3 J1.A6 J1.B6 U1.33
EncA: SW1.A SW52.A U1.11
EncB: SW1.B SW52.B U1.12
NRST: C7.1 U1.7
RGB: LED3.3 U1.28
row0: D1.1 D2.1 D3.1 D4.1 D5.1 D6.1 D7.1 D8.1 D9.1 D10.1 U1.22
row1: D11.1 D12.1 D13.1 D14.1 D15.1 D16.1 D17.1 D18.1 D19.1 D20.1 U1.21
row2: D21.1 D23.1 D25.1 D26.1 D27.1 D30.1 D33.1 D34.1 D37.1 D38.1 D39.1 U1.20
row3: D22.1 D24.1 D28.1 D29.1 D31.1 D32.1 D35.1 D36.1 U1.19
SCL: U1.42
SDA: U1.43
Net-(D1-A): D1.2 MX11.2 MX12.2 MX36.2
Net-(D2-A): D2.2 MX10.2
Net-(D3-A): D3.2 MX9.2
Net-(D4-A): D4.2 MX8.2
Net-(D5-A): D5.2 MX7.2
Net-(D6-A): D6.2 MX6.2
Net-(D7-A): D7.2 MX5.2
Net-(D8-A): D8.2 MX4.2
Net-(D9-A): D9.2 MX1.2 MX2.2
Net-(D10-A): D10.2 MX3.2
Net-(D11-A): D11.2 MX23.2 MX24.2
Net-(D12-A): D12.2 MX22.2
Net-(D13-A): D13.2 MX21.2
Net-(D14-A): D14.2 MX19.2
Net-(D15-A): D15.2 MX20.2
Net-(D16-A): D16.2 MX18.2
Net-(D17-A): D17.2 MX17.2
Net-(D18-A): D18.2 MX16.2
Net-(D19-A): D19.2 MX13.2 MX14.2
Net-(D20-A): D20.2 MX15.2
Net-(D21-A): D21.2 MX35.2
Net-(D22-A): D22.2 MX41.2 MX68.2
Net-(D23-A): D23.2 MX34.2
Net-(D24-A): D24.2 MX40.2 MX46.2 MX67.2
Net-(D25-A): D25.2 MX32.2
Net-(D26-A): D26.2 MX33.2
Net-(D27-A): D27.2 MX31.2
Net-(D28-A): D28.2 MX45.2 MX51.2 MX65.2
Net-(D29-A): D29.2 MX47.2 MX66.2
Net-(D30-A): D30.2 MX30.2 SW52.S2
Net-(D31-A): D31.2 MX39.2 MX64.2 SW1.S2
Net-(D32-A): D32.2 MX42.2 MX44.2 MX50.2 MX63.2
Net-(D33-A): D33.2 MX29.2
Net-(D34-A): D34.2 MX28.2
Net-(D35-A): D35.2 MX37.2 MX61.2
Net-(D36-A): D36.2 MX38.2 MX43.2 MX62.2
Net-(D37-A): D37.2 MX27.2
Net-(D38-A): D38.2 MX26.2
Net-(D39-A): D39.2 MX25.2
Net-(J1-CC1): J1.A5 R3.2
Net-(J1-CC2): J1.B5 R4.2
Net-(LED1-DIN): LED1.3 LED2.1
Net-(LED1-DOUT): LED1.1 LED12.3
Net-(LED2-DIN): LED2.3 LED3.1
Net-(LED4-DIN): LED4.3 LED5.1
Net-(LED5-DIN): LED5.3 LED6.1
Net-(LED6-DIN): LED6.3 LED7.1
Net-(LED7-DIN): LED7.3 LED8.1
Net-(LED8-DIN): LED8.3 LED9.1
Net-(LED10-DIN): LED10.3 LED11.1
Net-(LED10-DOUT): LED9.3 LED10.1
Net-(LED11-DIN): LED11.3 LED12.1
Net-(R1-Pad1): R1.1 R2.2

Pads without a net: J1 A8 B8; LED4 1; SW1 MP; SW52 MP; U1 2 3 4 5 6 10 25 26 27 29 30 31 34 45 46

## Via types
v1: diameter 0.8, hole 0.4, Top to Bottom, 84 vias

## Routing (per net, layer and track width the routed paths; a pad name or vN(x,y) marks a point on that pad's centre or on a via; arc(x,y) is an arc through that point)
+3V3: length 118.7
  Top w0.381: v1(107.58,60.04) 107.57,60.06 v1(102.14,60.06) v1(102.14,54.48) 107.19,54.48
  Bottom w0.3: 103.34,50.94 103.34,51.5 103.58,51.74 U1.9 103.58,53.99 103.09,54.48 ; v1(107.58,60.04) U1.36 107.58,63.27 ; 99.1,60.06 U1.24 v1(102.14,60.06) ; 107.58,51.39 U1.1 107.58,54.09 ; 107.27,54.56 U1.48
  Bottom w0.381: C5.1 99.1,60.06 ; 107.58,51.39 C3.1 ; 100.67,60.1 100.32,60.45 C6.1 100.42,61.33 100.55,61.33 102.14,62.92 102.14,71.59 99.78,73.95 58.46,73.95 55.94,71.43 U2.2 ; C2.1 109.2,54.1 108.89,54.41 ; 107.27,54.56 107.19,54.48 107.58,54.09 ; SW0.1 SW0.1 ; SW0.1 101.38,39.78 ; SW0.1 101.12,39.42 100,40.53 100,44.05 103.24,47.29 C1.1 ; 107.58,63.27 C4.1 ; v1(102.14,54.48) 103.09,54.48
  vias: v1(107.19,54.5)
+5V: length 486
  Top w0.381: v1(45.31,70.75) v1(45.31,75.38)
  Bottom w0.381: 123.57,22.37 162.82,22.37 LED11.4 163.78,23.25 165.29,24.76 204.5,24.76 207.45,27.7 207.45,32.68 205.19,34.94 ; C10.1 46.55,70.45 F1.2 ; v1(45.31,75.38) 45.31,75.35 D99.4 ; 46.87,70.45 46.89,70.47 49.28,70.47 U2.3 ; 205.19,34.94 LED12.4 204.21,35.95 ; 205.19,34.94 205.19,36.53 209.04,40.38 209.04,54.51 205.12,58.43 201.4,58.43 201.36,58.39 ; 46.38,74.4 46.27,74.5 ; 122.97,57.69 123.71,58.43 125.74,58.43 127.42,56.75 160.04,56.75 160.98,57.69 LED2.4 161.81,58.43 164.26,58.43 165.94,56.75 193.66,56.75 196.49,59.58 200.17,59.58 201.36,58.39 ; 89.44,22.03 83.38,22.03 82.85,22.55 49.57,22.55 48.87,23.25 LED8.4 46.93,22.37 44.57,22.37 arc(44.57,22.38) 44.57,22.38 42.19,24.76 5.2,24.76 2.66,27.29 2.66,33.58 5.05,35.97 ; 201.36,58.39 202.06,57.69 LED1.4 ; F1.2 45.3,70.74 v1(45.31,70.75) ; F1.2 46.59,69.21 47.54,68.25 47.54,58.58 ; 5.05,35.97 5.05,56.54 6.2,57.69 LED6.4 7.03,58.43 9.65,58.43 11.3,56.78 45.77,56.78 46.68,57.69 LED5.4 46.77,57.81 47.54,58.58 ; 5.05,35.97 5.8,35.21 7.38,35.21 LED7.4 ; 47.54,58.58 47.67,58.71 49.23,58.71 49.23,58.71 49.56,58.71 51.49,56.78 83.87,56.78 84.78,57.69 84.87,57.69 ; LED10.4 123.92,22.37 112.43,22.37 108.82,18.76 101.78,18.76 98.52,22.03 87.93,22.03 LED9.4
GND: length 91.1
  Top w0.381: 104.84,4.11 v1(104.84,4.12) ; 42.49,75.13 42.49,70.95 ; 33.85,75.13 33.85,70.95
  Bottom w0.3: v1(105.21,49.46) C7.2 ; v1(107.62,49.43) C3.2 ; C4.2 107.08,63.05 U1.35 107.08,60.6 106.4,59.92 v1(106.4,58.85) 104.08,56.54 U1.8 104.08,51.06 104.3,50.84 v1(104.3,49.79) ; LED2.2 163.89,56.59 v1(163.89,56.59) ; LED5.2 49.52,56.59 v1(49.54,56.61) ; 122.97,24.35 122.05,24.35 v1(122.02,24.39) ; 84.87,24.35 84.67,24.55 v1(84.67,25.37) ; LED6.2 9.04,56.59 v1(9.06,56.61) ; LED1.2 205.13,56.59 v1(205.15,56.57) ; C2.2 110.69,55.06 U1.47 108.16,55.06 105.96,57.26 v1(104.81,57.26) 103.87,57.26 101.58,59.56 U1.23 ; v1(96.58,60.47) 97.62,60.47 C5.2 ; J1.A1 34.92,68.45 R3.1 34.65,68.35 33.77,68.35 v1(33.74,68.31) ; v1(201.41,37.04) 201.42,37.05 LED12.2 ; v1(125.74,56.61) 125.72,56.59 LED3.2 ; LED11.2 160.91,24.35 v1(160.91,24.36) ; LED8.2 45.33,24.35 v1(44.93,24.76) ; v1(87.69,56.6) 87.68,56.59 LED4.2 ; LED7.2 6.29,37.97 v1(6.41,38.09) ; L1.2 33.41,71.59 34.92,70.07 34.92,70.04
  Bottom w0.381: v1(26.73,73.97) 26.74,73.96 L1.1 ; 42.49,75.13 33.85,75.13 ; R4.1 41.93,68.8 41.42,69.31 J1.A12 41.77,70.23 42.49,70.95 ; U2.1 54.36,73.33 ; 104.36,23.01 v1(104.36,23.01) 104.84,22.53 SW52.C ; 49.75,69.83 v1(49.75,68.87) ; v1(47.63,72.16) 47.63,72.08 C10.2 46.07,72.29 46.07,72.38 ; v1(26.73,69.21) 26.74,69.22 L1.1 ; v1(97.37,62.62) 98.72,61.27 ; L1.1 v1(25.14,71.59) ; C9.1 v1(56.1,73.17) ; SW1.C 104.84,4.11 ; v1(110.73,40.25) 109.68,40.25
  vias: v1(16.41,50.16) v1(44.99,63.65) v1(45.78,50.16) v1(54.51,73.17) v1(57.69,51.74) v1(63.24,60.47) v1(71.72,71.74) v1(83.09,48.57) v1(84.67,68.41) v1(97.37,47.77) v1(100.55,69.21) v1(103.22,58.83) v1(103.22,57.26) v1(103.22,55.67) v1(103.72,66.03) v1(104.81,58.85) v1(104.81,55.67) v1(106.4,57.26) v1(106.4,55.67) v1(110.87,71.59) v1(118.81,50.95) v1(131.51,46.19) v1(150.56,61.27) v1(157.7,50.95) v1(195.01,37.46) v1(196.4,44.76) v1(204.44,32.25)
VBUS: length 14.8
  Top w0.3: 36.61,71.55 v1(36.57,71.59)
  Top w0.381: v1(43.58,68.65) 42.92,68.65 v1(39.97,71.59) ; 39.97,71.55 36.61,71.55
  Bottom w0.3: 35.72,70.9 J1.A4 ; 40.57,70.95 40.62,70.9 J1.A9 ; 39.87,71.55 v1(39.97,71.59) 39.97,71.55 ; F1.1 45.3,66.92 ; v1(36.57,71.59) 36.41,71.59
  Bottom w0.381: 36.41,71.59 36.36,71.59 35.88,71.12 35.88,71.06 35.72,70.9 ; 39.97,71.55 40.03,71.55 40.57,71.01 40.57,70.95 ; 45.3,66.92 v1(43.58,68.65)
BOOT0: length 23.6
  Bottom w0.3: U1.44 110.2,56.56 111.36,55.4 111.36,53.76 110.07,52.48 110.07,43.81 109.38,43.12 SW0.2 SW0.2
col0: length 142.1
  Top w0.3: MX13.1 10.54,52.23 22.44,64.13 MX1.1 MX2.1 ; MX14.1 7.01,50.16 4.51,47.65 4.51,32.38 MX25.1
  Bottom w0.3: U1.18 90.81,57.06 89.49,55.74 14.85,55.74 10.54,51.43 MX13.1 10.51,50.16 MX14.1
col1: length 139.5
  Top w0.3: MX3.1 41.97,63.01 29.59,50.63 MX15.1 29.91,49.84 29.91,36.19 MX26.1 25.14,30.79 25.14,24.91 34.35,15.71 MX61.1 MX37.1
  Bottom w0.3: MX15.1 29.91,50.16 34.99,55.24 89.7,55.24 91.02,56.56 U1.17
col2: length 127
  Top w0.3: 53.43,69.21 MX4.1 53.46,69.14 53.46,54.98 MX16.1 48.96,49.84 48.96,36.19 MX27.1 44.19,30.79 44.19,25.08 44.18,25.07 44.18,21.28 MX62.1 MX38.1
  Bottom w0.3: MX16.1 53.22,54.74 89.91,54.74 91.23,56.06 U1.16
col3: length 112.5
  Top w0.3: MX44.1 MX63.1 63.24,21.26 63.24,30.79 MX28.1 68.01,36.19 68.01,49.84 MX17.1 72.53,55 72.53,69.12 MX5.1 72.45,69.23
  Bottom w0.3: MX17.1 71.77,54.24 90.11,54.24 91.43,55.56 U1.15
col4: length 96.7
  Top w0.3: 91.51,69.2 MX6.1 90.97,69.21 86.74,64.98 MX18.1 87.06,49.84 87.06,36.19 MX29.1 82.29,30.79 82.29,25.13 92.21,15.22 92.21,12.76 MX64.1 MX39.1 102.34,13.37 SW1.S1
  Bottom w0.3: U1.14 91.64,55.06 MX18.1
col5: length 76.9
  Top w0.3: v1(89.01,51.37) 89.01,49.73 87.85,48.57 87.85,45.39 90.23,43.01 94.89,43.01 SW52.S1 101.03,34.25 MX30.1 101.03,29.1 101.03,29.09 101.03,27.58 106.19,22.42 108.48,22.42 109.38,21.52 109.38,13.23 MX65.1 MX51.1
  Bottom w0.3: U1.13 92.2,54.56 v1(89.01,51.37)
col6: length 82.4
  Top w0.3: MX47.1 124.83,12.06 MX66.1 129.6,15.44 120.39,24.65 120.39,30.79 MX31.1 115.63,35.55 115.63,49.84 MX19.1 114.84,50.63 114.84,54.92 110.87,58.89 110.87,68.89 MX7.1
  Bottom w0.3: MX19.1 115.31,55.24 112.49,58.06 U1.41
col7: length 99
  Top w0.3: 129.12,69.21 MX8.1 129.65,69.16 129.65,54.29 133.78,50.16 MX20.1 134.68,49.84 134.68,35.55 MX32.1 139.44,30.79 139.44,14.12 MX40.1 MX67.1
  Bottom w0.3: U1.40 112.78,58.56 116.75,54.59 121.72,54.59 122.09,54.21 130.47,54.21 134.36,50.31 MX20.1
col8: length 115
  Top w0.3: MX9.1 148.72,69.14 148.72,54.38 152.94,50.16 MX21.1 153.73,49.84 153.73,35.55 MX33.1 158.49,30.79 158.49,18.88 MX41.1 MX68.1
  Bottom w0.3: U1.39 113.08,59.06 117.05,55.09 121.92,55.09 122.3,54.71 149.17,54.71 153.41,50.47 MX21.1
col9: length 110
  Top w0.3: MX34.1 172.78,35.55 172.78,49.84 MX22.1 171.49,50.16 167.76,53.88 167.76,69.15 MX10.1
  Bottom w0.3: U1.38 113.34,59.56 117.31,55.59 122.13,55.59 122.51,55.21 167.41,55.21 MX22.1
col10: length 151.5
  Top w0.3: MX11.1 MX12.1 194.37,54.12 MX36.1 193.33,53.33 187.86,47.86 187.86,39.52 MX35.1 199.13,33.96 MX24.1 MX23.1
  Bottom w0.3: 109.7,60.06 113.66,60.06 117.63,56.09 122.34,56.09 122.72,55.71 192.78,55.71 MX36.1
D_N: length 87.1
  Bottom w0.3: J1.B7 37.42,69.36 37.63,69.15 38.22,69.15 38.42,69.36 ; 38.42,69.36 38.63,69.15 39.06,69.15 40.41,67.8 42.26,67.8 42.55,68.1 42.55,69.15 43.8,70.4 43.8,71.81 D99.2 45.1,73.11 47.69,73.11 49.07,74.49 104.09,74.49 105.58,72.99 U1.32 ; 38.42,69.36 J1.A7
D_P: length 87.1
  Bottom w0.3: U1.33 106.08,73.2 104.29,74.99 48.86,74.99 47.48,73.61 43.6,73.61 ; 43.6,73.61 D99.3 ; 43.6,73.61 41.51,73.61 arc(40.91,73.49) 40.41,73.15 40.33,73.07 arc(40.12,72.98) 39.9,73.07 ; J1.A6 37.92,71.1 38.13,71.3 38.72,71.3 38.92,71.1 J1.B6 38.92,71.67 39.48,72.22 arc(39.57,72.43) 39.48,72.65 ; 39.49,72.64 arc(39.4,72.85) 39.49,73.06 arc(39.7,73.15) 39.91,73.06
EncA: length 61.5
  Top w0.3: SW52.A 108.88,19.53 108.88,13.24 v1(108.49,12.85)
  Bottom w0.3: v1(108.49,12.85) 107.69,12.06 107.69,2.36 SW1.A ; SW52.A 107.34,22.89 107.22,23.01 107.22,23.05 106.31,23.96 100.75,23.96 97.89,26.82 97.89,30.31 99.46,31.89 99.46,44.31 102.58,47.43 U1.11
EncB: length 56.8
  Top w0.3: v1(101.34,13.87) 100.55,14.66 100.55,19.28 SW52.B
  Bottom w0.3: SW1.B 102.34,10.47 102.53,10.66 102.53,12.69 v1(101.34,13.87) ; U1.12 102.08,47.72 98.96,44.6 98.96,32.09 97.39,30.52 97.39,26.61 102.29,21.71 102.29,21.12 SW52.B
NRST: length 2
  Bottom w0.3: U1.7 104.58,52.16 105.31,51.43
RGB: length 23.8
  Top w0.3: v1(103.6,63.18) 106.8,63.18 v1(109.17,60.81)
  Bottom w0.3: v1(109.17,60.81) 113.71,60.81 117.93,56.59 122.97,56.59 ; U1.28 103.58,63.16 v1(103.6,63.18)
row0: length 184.7
  Top w0.3: v1(100.77,64.22) v1(109.28,64.22) ; v1(48.33,62.22) v1(46.69,62.22)
  Bottom w0.3: D9.1 36.25,64.35 38.38,62.22 v1(46.69,62.22) ; v1(109.28,64.22) D5.1 117.61,64.3 ; v1(48.33,62.22) 50.41,64.3 50.48,64.22 D6.1 v1(100.77,64.22) ; 184.95,64.19 117.61,64.19 ; D7.1 86.06,64.22 91.23,59.06 U1.22 ; D1.1 184.95,64.3
row1: length 217.4
  Top w0.3: v1(98.17,45.11) 98.17,45.11 v1(110.82,45.11) ; v1(78.32,45.17) v1(78.32,59.96)
  Bottom w0.3: U1.21 91.02,58.56 89.58,60 78.81,60 78.76,59.96 v1(78.32,59.96) ; v1(98.17,45.11) 98.1,45.17 D16.1 21.81,45.17 D19.1 ; v1(110.82,45.11) 110.88,45.17 D14.1 D12.1 186.24,45.17 arc(186.62,45.1) 186.95,44.88 192.55,39.27 arc(192.88,39.06) 193.26,38.98 D11.1
row2: length 247.3
  Top w0.3: v1(79.12,59.25) 79.12,44.91 78.32,44.11 v1(78.32,26.12) ; v1(95.33,26.12) v1(100.82,26.12)
  Bottom w0.3: D33.1 95.32,26.12 v1(95.33,26.12) ; D33.1 D39.1 ; D33.1 89.18,26.34 89.44,26.34 ; v1(79.12,59.25) 89.62,59.25 90.81,58.06 U1.20 ; 202.63,26.35 202.85,26.12 D21.1 116.42,26.12 D30.1 100.82,26.12 v1(100.82,26.12)
row3: length 179.2
  Top w0.3: v1(79.91,58.48) 79.91,44.6 79.12,43.81 79.12,25.55 78.32,24.76 v1(78.32,21.48)
  Bottom w0.3: D22.1 112.24,21.42 108.69,17.87 101.09,17.87 97.47,21.48 D35.1 ; v1(79.91,58.48) 89.68,58.48 90.61,57.56 U1.19
Net-(D1-A): length 8
  Bottom w0.3: MX11.2 MX12.2 187.48,61.05 D1.2
Net-(D2-A): length 4.5
  Bottom w0.3: D2.2 174.68,71.11 MX10.2
Net-(D3-A): length 4.5
  Bottom w0.3: MX9.2 155.63,71.11 D3.2
Net-(D4-A): length 4.5
  Bottom w0.3: D4.2 136.58,71.11 MX8.2
Net-(D5-A): length 4.5
  Bottom w0.3: MX7.2 117.53,71.11 D5.2
Net-(D6-A): length 4.5
  Bottom w0.3: D6.2 98.48,71.11 MX6.2
Net-(D7-A): length 4.5
  Bottom w0.3: D7.2 79.43,71.11 MX5.2
Net-(D8-A): length 4.3
  Bottom w0.3: MX4.2 60.31,71.19 60.31,67.98 60.54,67.74
Net-(D9-A): length 13.9
  Bottom w0.3: MX2.2 12.35,61.05 D9.2
Net-(D10-A): length 3.2
  Bottom w0.3: 35.62,61.59 35.08,61.05 D10.2
Net-(D11-A): length 6
  Bottom w0.3: D11.2 193.04,42.28 MX24.2
Net-(D12-A): length 4.5
  Bottom w0.3: MX22.2 179.45,52.06 D12.2
Net-(D13-A): length 4.5
  Bottom w0.3: MX21.2 160.4,52.06 D13.2
Net-(D14-A): length 4.5
  Bottom w0.3: D14.2 122.3,52.06 MX19.2
Net-(D15-A): length 4.5
  Bottom w0.3: MX20.2 141.35,52.06 D15.2
Net-(D16-A): length 4.5
  Bottom w0.3: MX18.2 93.72,52.06 D16.2
Net-(D17-A): length 4.5
  Bottom w0.3: MX17.2 74.67,52.06 D17.2
Net-(D18-A): length 4.5
  Bottom w0.3: D18.2 55.62,52.06 MX16.2
Net-(D19-A): length 8.8
  Bottom w0.3: D19.2 17.62,52.67 MX13.2 16.86,52.7 MX14.2
Net-(D20-A): length 4.5
  Bottom w0.3: D20.2 36.57,52.06 MX15.2
Net-(D21-A): length 4.5
  Bottom w0.3: MX35.2 203.26,33.01 D21.2
Net-(D22-A): length 6.3
  Bottom w0.3: MX68.2 MX41.2 170.72,15.55 D22.2
Net-(D23-A): length 4.5
  Bottom w0.3: MX34.2 184.21,33.01 D23.2
Net-(D24-A): length 11
  Bottom w0.3: D24.2 148.49,15.23 MX40.2 MX67.2
Net-(D25-A): length 4.5
  Bottom w0.3: MX32.2 146.11,33.01 D25.2
Net-(D26-A): length 4.5
  Bottom w0.3: MX33.2 165.16,33.01 D26.2
Net-(D27-A): length 4.5
  Bottom w0.3: D27.2 127.06,33.01 MX31.2
Net-(D28-A): length 14.4
  Bottom w0.3: MX51.2 MX65.2 116.9,15.17 D28.2
Net-(D29-A): length 10.2
  Bottom w0.3: MX47.2 131.81,14.59 132.62,15.39 D29.2 132.62,16.78 134.8,14.6 MX66.2
Net-(D30-A): length 7.1
  Bottom w0.3: MX30.2 108.55,33.65 D30.2
Net-(D31-A): length 9.5
  Bottom w0.3: MX39.2 107.35,14.62 97.87,14.62 MX64.2
Net-(D32-A): length 16.7
  Bottom w0.3: D32.2 78.8,15.17 MX63.2 MX44.2
Net-(D33-A): length 4.5
  Bottom w0.3: D33.2 88.96,33.01 MX29.2
Net-(D34-A): length 4.5
  Bottom w0.3: MX28.2 69.91,33.01 D34.2
Net-(D35-A): length 14
  Bottom w0.3: D35.2 46.67,18.18 MX37.2 MX61.2
Net-(D36-A): length 11.7
  Bottom w0.3: D36.2 64.35,17.14 62.13,14.91 MX43.2 ; MX62.2 MX38.2
Net-(D37-A): length 4.5
  Bottom w0.3: MX27.2 50.86,33.01 D37.2
Net-(D38-A): length 4.5
  Bottom w0.3: D38.2 31.81,33.01 MX26.2
Net-(D39-A): length 4.5
  Bottom w0.3: D39.2 12.76,33.01 MX25.2
Net-(J1-CC1): length 2.5
  Bottom w0.3: 35.78,68.35 36.07,68.35 36.92,69.2 J1.A5
Net-(J1-CC2): length 2.3
  Bottom w0.3: J1.B5 39.92,69.26 40.7,68.48 R4.2
Net-(LED1-DIN): length 41.4
  Bottom w0.3: LED1.3 200.5,54.75 196.13,54.75 194.66,56.21 165.71,56.21 164.23,57.69 LED2.1
Net-(LED1-DOUT): length 24.8
  Bottom w0.3: LED1.1 205.09,57.69 208.5,54.28 208.5,41.38 LED12.3
Net-(LED2-DIN): length 37
  Bottom w0.3: LED3.1 125.72,57.69 127.2,56.21 160.69,56.21 LED2.3
Net-(LED4-DIN): length 37
  Bottom w0.3: LED5.1 49.52,57.69 50.97,56.24 84.52,56.24 84.87,56.59
Net-(LED5-DIN): length 39.4
  Bottom w0.3: LED6.1 9.62,57.69 11.08,56.24 46.42,56.24 LED5.3
Net-(LED6-DIN): length 21.4
  Bottom w0.3: LED6.3 5.59,55.89 5.59,36.36 5.81,36.08 5.94,35.95 LED7.1
Net-(LED7-DIN): length 52.4
  Bottom w0.3: LED8.1 44.46,23.25 42.39,25.32 8.62,25.32 6.63,27.32 6.63,29.31 9.29,31.97 9.29,35.91 8.15,37.05 LED7.3
Net-(LED8-DIN): length 37.5
  Bottom w0.3: 84.87,23.25 49.82,23.25 48.72,24.35 LED8.3
Net-(LED10-DIN): length 37.8
  Bottom w0.3: LED10.3 124.92,24.35 126.36,22.92 161.53,22.92 LED11.1
Net-(LED10-DOUT): length 40
  Bottom w0.3: 122.97,23.25 122.63,22.92 112.21,22.92 108.6,19.3 102.13,19.3 98.87,22.57 88.52,22.57 86.73,24.35 LED9.3
Net-(LED11-DIN): length 54.6
  Bottom w0.3: LED12.1 202.7,35.95 206.65,32 206.65,27.67 204.3,25.32 164.66,25.32 LED11.3
Net-(R1-Pad1): length 0.8
  Bottom w0.3: 109.63,41.35 109.63,42.18

## Copper pours and planes (outline as drawn; the poured copper is in the pictures)
GND on Top, Bottom: 28.71,76.39 28.69,65.67 48.57,65.65 48.59,76.37
GND on Top, Bottom: 48.96,76.35 48.96,65.24 28.32,65.24 28.32,76.35 -0.26,76.35 -0.26,-0.64 210.09,-0.64 210.09,76.35
GND on Top, Bottom: 108.25,60.74 101.42,60.73 101.41,53.9 108.27,53.9
GND on Bottom: 49.75,76.35 48.16,76.35 48.16,68.41 49.75,68.41

## Text on the board
B.Silkscreen: v0.1 (2023-10) | 4 | 2 / 7 | 1 | 3 / 6 | 7 | 2 | 6 | 4 / 7 | 1 / 3 / 6 / 7 | 1u | Vault 35 katana by jlw_ | 2 / 5 | 5 | RESET | 3 | 3 / 5 | 1.25u | 1.5u | ISO
F.Silkscreen: 6 | 4 / 7 | 1 | 2 | 7 | 3 / 6 | 4 | 2 / 7 | 1 / 3 / 6 / 7 | 2 / 5 | 3 / 5 | 3 | 5
